# Altium PCB PCB2.PcbDoc (part 14 of 16)
Units mil, origin at the board's own origin, x right, y up, seen from the top; angles counter-clockwise.
Board outline 9200.79 x 4350.6 mil, 4 copper layers (Top Layer, Layer 1, Layer 2, Bottom Layer), stack 23.756 mil thick; 1249 components, 1355 nets, 4549 pads, 1316 vias.
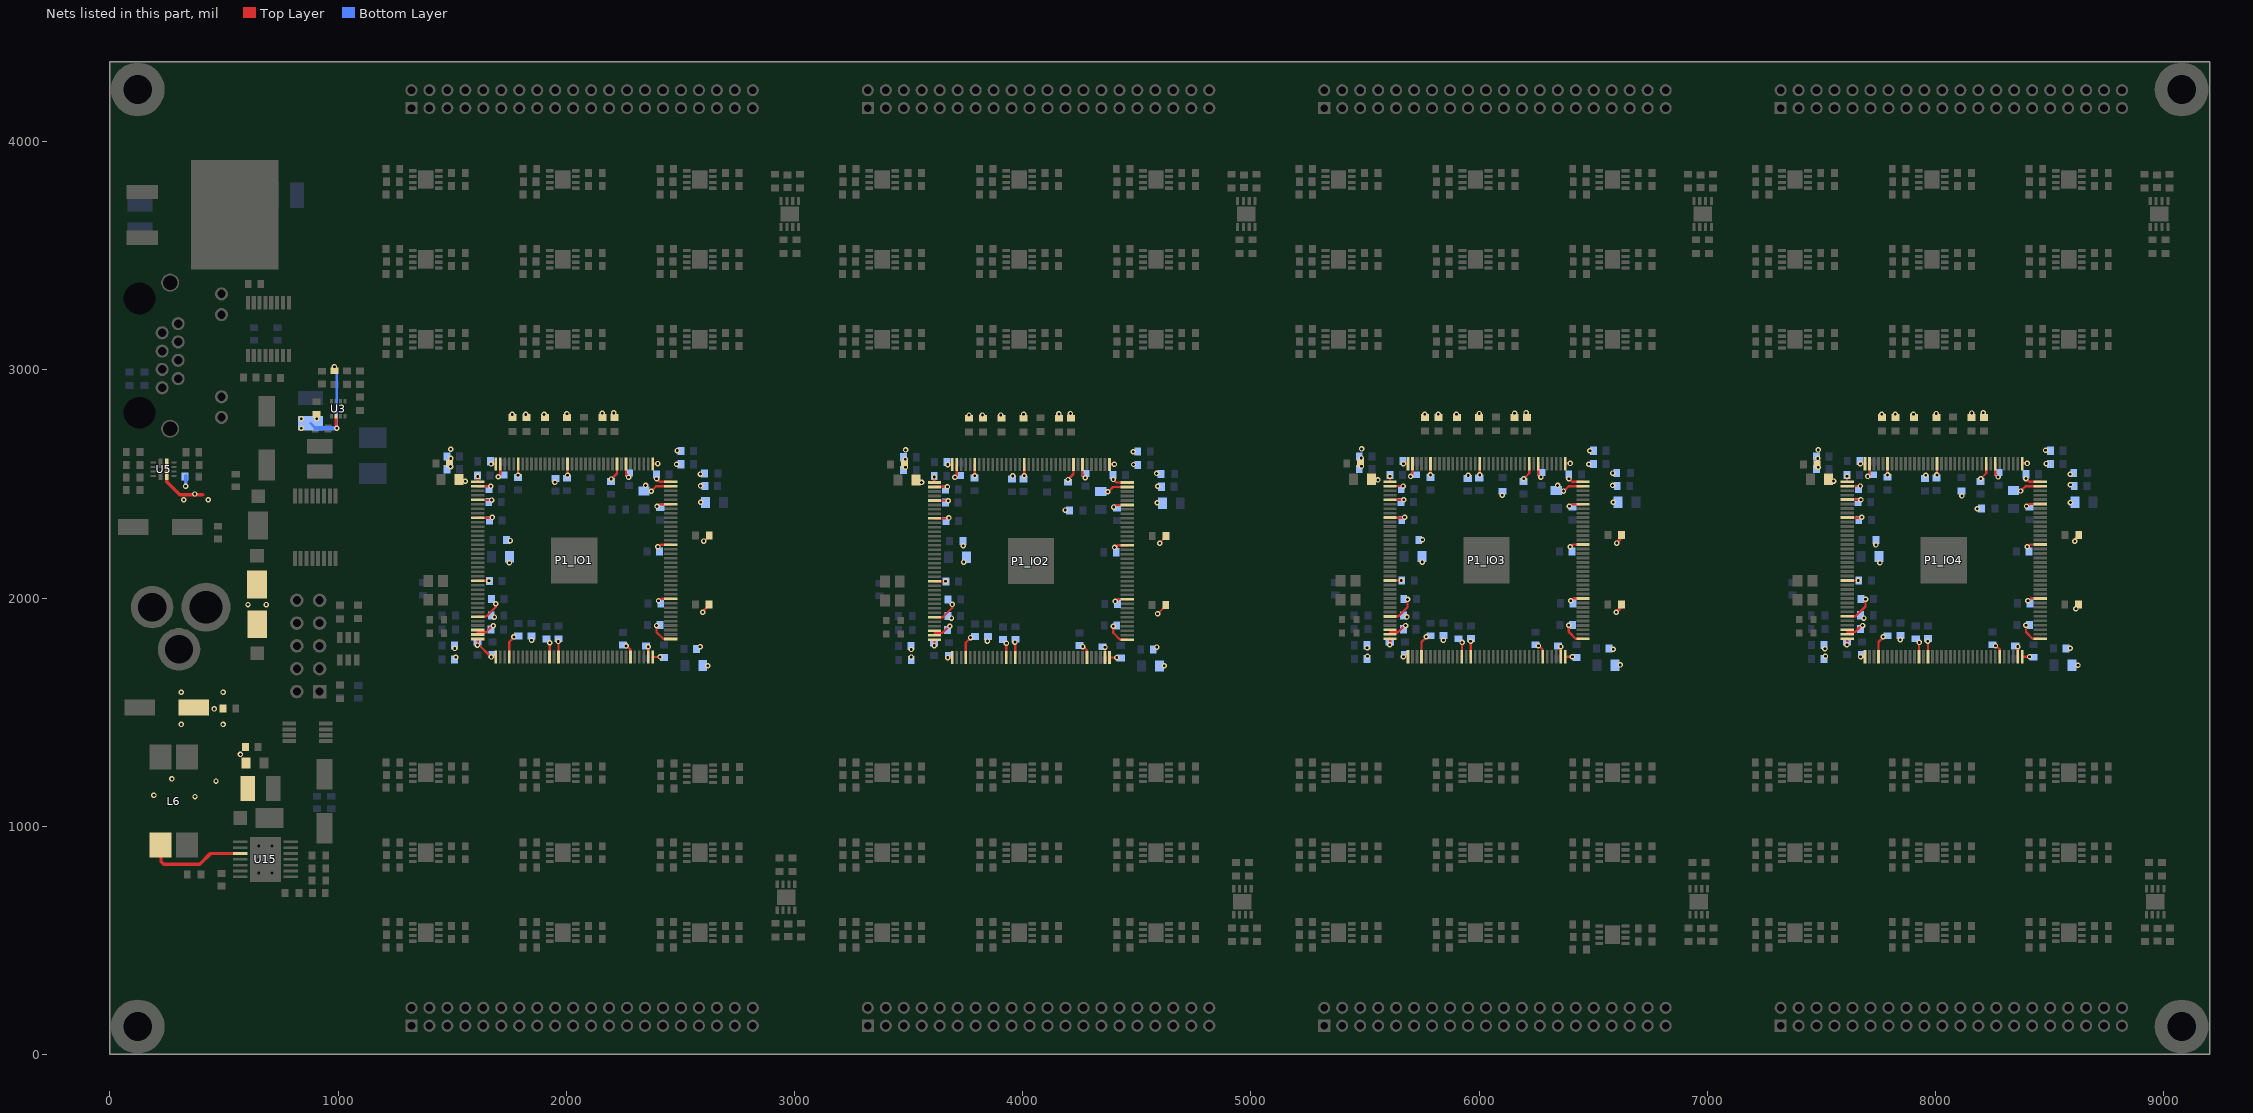
[diagram p16: the nets of this part, all layers, seen from the top]

## Via types
v1: diameter 24, hole 12, Top Layer to Bottom Layer, 1316 vias

## Nets (pads, with @x,y where several pads share a name; then routed paths per layer and width w, separated by ;. In a path a pad name is that pad's centre, name@x,y a point inside that pad or via, vN(x,y) a via of type N, cw(c..) or ccw(c..) an arc to the next point about the centre after c; other vN are vias at no path point) (continued)
VCC_12V: C19.2 C20.2 C28.2 C29.2 C30.2 C73.1 C74.2 D5.1 D6.1 L6.1 R15.2 R37.1 U3.2 U5.1 U5.8 U15.3 | length 1194.8
  Top Layer w12: U3.2@990.99,2796.79 990.99,2747.37 v1(994.29,2744.07)
  Top Layer w15: L6.1@221.69,917.08 223.76,915.01 223.76,844.99 225.76,844.99 236.55,834.2 394.38,834.2 440.62,880.44 U15.3@571.43,880.44 ; U5.1@249.16,2591.37 U5.8@249.16,2538.22 249.16,2509.01 305.78,2452.39 406.79,2452.39
  Bottom Layer w12: C19.2@879.46,2766.07 C19.2@901.47,2744.07 ; v1(983.66,3012.99) 994.29,3002.36 v1(994.29,2744.07)
  Bottom Layer w15: v1@331.32,2500.67 331.6,2500.95 R37.1@331.6,2536.27
  Bottom Layer w20: C19.2@901.47,2744.07 v1(994.29,2744.07)
  other v1: 372.76,1129.99 192.76,1135.99 464.76,1197.99 271.76,1206.99 572.01,1314.3 312.86,1446.09 495.56,1446.09 457.36,1513.79 312.86,1586.59 495.56,1586.59 605.06,1971.49 684.56,1971.49 323.1,2430.17 430.5,2430.17 371.1,2455.77 331.44,2489.72 838.26,2743.39 838.26,2785.59 905.96,2785.09
VCC_FPGA_IO1: C2_POWER1.1 C3_POWER1.1 C4_POWER1.1 C5_POWER1.1 C6_POWER1.1 C7_POWER1.1 C9_POWER1.1 C10_POWER1.2 C11_POWER1.2 C12_POWER1.1 C13_POWER1.1 C15_POWER1.1 C16_POWER1.1 C17_POWER1.1 C23_POWER1.1 C24_POWER1.1 C45_POWER1.1 C46_POWER1.2 C47_POWER1.1 C48_POWER1.1 C49_POWER1.1 C51_POWER1.1 C52_POWER1.1 C53_POWER1.1 C54_POWER1.1 C55_POWER1.2 C56_POWER1.2 C57_POWER1.1 C58_POWER1.1 C59_POWER1.1 C60_POWER1.1 C61_POWER1.1 C62_POWER1.1 C64_POWER1.1 C65_POWER1.1 C66_POWER1.1 C67_POWER1.1 C68_POWER1.1 C69_POWER1.2 C70_POWER1.2 C71_POWER1.2 C72_POWER1.2 L1_POWER1.2 L3_POWER1.2 P1_IO1.1 P1_IO1.2 P1_IO1.5 P1_IO1.9 P1_IO1.23 P1_IO1.31 P1_IO1.34 P1_IO1.35 P1_IO1.36 P1_IO1.37 P1_IO1.40 P1_IO1.49 P1_IO1.51 P1_IO1.67 P1_IO1.71 P1_IO1.72 P1_IO1.73 P1_IO1.82 P1_IO1.94 P1_IO1.103 P1_IO1.107 P1_IO1.108 P1_IO1.109 P1_IO1.115 P1_IO1.117 P1_IO1.128 P1_IO1.139 P1_IO1.143 P1_IO1.144 R1_IO1.1 R2_IO1.1 R3_IO1.1 R4_IO1.1 R5_IO1.1 R6_IO1.1 R7_IO1.1 R14_IO1.2 R20_IO1.2 | length 1793.6
  Top Layer w10: v1(1611.36,2532.92) 1611.36,2509.64 P1_IO1.1@1611.97,2509.02 P1_IO1.1@1612.22,2508.78 ; 1611.97,1849.57 1646.74,1849.57 1666.46,1869.29 1666.67,1869.29 1675.67,1878.29 v1(1679.46,1878.29) ; P1_IO1.31@1611.97,1918.47 1612.19,1918.69 1648.86,1918.69 1690.46,1960.29 v1(1690.46,1974.29) ; P1_IO1.23@1611.97,2075.95 v1(1660.92,2075.95) ; P1_IO1.9@1611.97,2351.54 1612.22,2351.29 1673.32,2351.29 v1@1676.04,2354 ; P1_IO1.5@1611.97,2430.28 1612.52,2429.74 1671.68,2429.74 v1(1672.23,2429.19) ; P1_IO1.2@1611.97,2489.34 1612.22,2489.58 1668.52,2489.58 v1(1668.76,2489.83) ; P1_IO1.36@1612.09,1820.17 P1_IO1.36@1611.97,1820.05 1611.97,1800.05 1670.24,1741.78 P1_IO1.37@1690.24,1741.78 ; v1(1670.22,2587.39) 1670.32,2587.29 P1_IO1.144@1690.24,2587.29 P1_IO1.144@1690.48,2587.54 ; v1(1701.78,2531.82) 1701.92,2531.82 1709.92,2539.82 P1_IO1.143@1709.92,2587.29 ; P1_IO1.40@1749.29,1741.78 1749.29,1806.13 1770.52,1827.35 v1(1770.52,1829.49) ; v1(1788.66,2538.34) P1_IO1.139@1788.66,2587.29 ; P1_IO1.49@1926.46,1741.78 1926.96,1742.28 1926.96,1803.79 v1(1927.46,1804.29) ; v1(1964.7,1809.68) 1965.68,1808.7 1965.68,1741.93 P1_IO1.51@1965.83,1741.78 ; v1(2005.2,2538.34) P1_IO1.128@2005.2,2587.29 ; v1(2197.41,2521.41) 2221.74,2545.73 P1_IO1.117@2221.74,2587.29 ; P1_IO1.115@2261.11,2587.29 2261.11,2543.96 2272.92,2532.14 v1(2272.92,2529.32) ; v1(2261.91,1789.81) 2264.98,1789.81 2279.89,1774.91 2279.89,1742.68 P1_IO1.67@2280.79,1741.78 ; v1@2360.46,1784.29 2359.5,1783.33 P1_IO1.71@2359.5,1741.81 ; v1@2373.46,2468.29 2394.51,2489.34 P1_IO1.107@2457.48,2489.34 ; P1_IO1.72@2379.22,1741.78 P1_IO1.72@2379.22,1741.78 v1(2410.88,1741.82) ; P1_IO1.109@2379.22,2587.29 2380.89,2588.96 v1(2400.84,2588.96) ; v1(2395.34,1879.32) 2395.34,1849.96 2424.35,1820.95 2456.58,1820.95 P1_IO1.73@2457.48,1820.05 ; v1(2395.44,2522.25) 2408.66,2509.02 P1_IO1.108@2457.48,2509.02 ; v1(2397.69,2401.23) 2401.48,2401.23 2410.85,2410.6 P1_IO1.103@2457.48,2410.6 ; v1(2401.51,2224.1) 2404.77,2224.1 2414.36,2233.69 2457.22,2233.69 P1_IO1.94@2457.48,2233.43 ; v1(2403.94,1987.52) 2407.73,1987.52 2418.3,1998.09 2456.6,1998.09 P1_IO1.82@2457.48,1997.21 ; v1(2597.96,1937.58) 2597.96,1941.29 2625.46,1968.79 R20_IO1.2@2625.46,1971.29 ; v1(2602.45,2249.56) 2604.23,2249.56 2626.46,2271.79 R14_IO1.2@2626.46,2274.29 ; P1_IO1.71@2359.5,1741.81 P1_IO1.71@2359.53,1741.78
  other v1: 2619.19,1702.72 1515.46,1740.79 1670.45,1741.57 1511.56,1778.89 2359.46,1786.29 2585.96,1786.79 1610.65,1794 1847.66,1814.49 1685.11,1916.41 1750.76,2154.79 1754.34,2251.73 1675.46,2353.29 2589.26,2419.79 2371.76,2467.9 2588.16,2490.99 2347.06,2493.49 1950.14,2507.4 1556.76,2511.69 2587.56,2543.29 1492.81,2576.07 2483.06,2585.59 1494,2611.67 2485.86,2646.19 1493.4,2652.04 1763.46,2804.29 1822.46,2804.29 1902.46,2804.29 2002.46,2807.29 2157.46,2809.29 2207.75,2810.85
VCC_FPGA_IO2: C2_POWER2.1 C3_POWER2.1 C4_POWER2.1 C5_POWER2.1 C6_POWER2.1 C7_POWER2.1 C9_POWER2.1 C10_POWER2.2 C11_POWER2.2 C12_POWER2.1 C13_POWER2.1 C15_POWER2.1 C16_POWER2.1 C17_POWER2.1 C23_POWER2.1 C24_POWER2.1 C45_POWER2.1 C46_POWER2.2 C47_POWER2.1 C48_POWER2.1 C49_POWER2.1 C51_POWER2.1 C52_POWER2.1 C53_POWER2.1 C54_POWER2.1 C55_POWER2.2 C56_POWER2.2 C57_POWER2.1 C58_POWER2.1 C59_POWER2.1 C60_POWER2.1 C61_POWER2.1 C62_POWER2.1 C64_POWER2.1 C65_POWER2.1 C66_POWER2.1 C67_POWER2.1 C68_POWER2.1 C69_POWER2.2 C70_POWER2.2 C71_POWER2.2 C72_POWER2.2 L1_POWER2.2 L3_POWER2.2 P1_IO2.1 P1_IO2.2 P1_IO2.5 P1_IO2.9 P1_IO2.23 P1_IO2.31 P1_IO2.34 P1_IO2.35 P1_IO2.36 P1_IO2.37 P1_IO2.40 P1_IO2.49 P1_IO2.51 P1_IO2.67 P1_IO2.71 P1_IO2.72 P1_IO2.73 P1_IO2.82 P1_IO2.94 P1_IO2.103 P1_IO2.107 P1_IO2.108 P1_IO2.109 P1_IO2.115 P1_IO2.117 P1_IO2.128 P1_IO2.139 P1_IO2.143 P1_IO2.144 R1_IO2.1 R2_IO2.1 R3_IO2.1 R4_IO2.1 R5_IO2.1 R6_IO2.1 R7_IO2.1 R14_IO2.2 R20_IO2.2 R30.1 | length 1732.9
  Top Layer w10: v1(3611.75,1791.4) 3613.07,1792.72 P1_IO2.36@3613.07,1817.45 P1_IO2.36@3613.19,1817.57 ; v1(3612.46,2530.32) 3612.46,2507.04 P1_IO2.1@3613.07,2506.42 P1_IO2.1@3613.32,2506.18 ; 3613.07,1846.97 3647.84,1846.97 3667.56,1866.69 3667.77,1866.69 3676.77,1875.69 v1(3680.56,1875.69) ; P1_IO2.31@3613.07,1915.87 3613.29,1916.09 3649.96,1916.09 3691.56,1957.69 v1(3691.56,1971.69) ; P1_IO2.23@3613.07,2073.35 v1(3662.02,2073.35) ; P1_IO2.9@3613.07,2348.94 3613.32,2348.69 3674.42,2348.69 v1@3677.14,2351.4 ; P1_IO2.5@3613.07,2427.68 3613.62,2427.14 3672.78,2427.14 v1(3673.33,2426.59) ; P1_IO2.2@3613.07,2486.74 3613.32,2486.98 3669.62,2486.98 v1(3669.86,2487.23) ; v1(3671.32,2584.79) 3671.42,2584.69 P1_IO2.144@3691.34,2584.69 P1_IO2.144@3691.58,2584.94 ; v1(3671.55,1738.97) 3673.83,1738.97 3674.05,1739.18 P1_IO2.37@3691.34,1739.18 ; v1(3702.88,2529.22) 3703.02,2529.22 3711.02,2537.22 P1_IO2.143@3711.02,2584.69 ; P1_IO2.40@3750.39,1739.18 3750.39,1803.53 3771.62,1824.75 v1(3771.62,1826.89) ; v1(3789.76,2535.74) P1_IO2.139@3789.76,2584.69 ; P1_IO2.49@3927.56,1739.18 3928.06,1739.68 3928.06,1801.19 v1(3928.56,1801.69) ; v1(3965.8,1807.08) 3966.78,1806.1 3966.78,1739.33 P1_IO2.51@3966.93,1739.18 ; v1(4006.3,2535.74) P1_IO2.128@4006.3,2584.69 ; v1(4198.51,2518.81) 4222.84,2543.13 P1_IO2.117@4222.84,2584.69 ; P1_IO2.115@4262.21,2584.69 4262.21,2541.36 4274.02,2529.54 v1(4274.02,2526.72) ; v1(4263.01,1787.21) 4266.08,1787.21 4280.99,1772.31 4280.99,1740.08 P1_IO2.67@4281.89,1739.18 ; v1@4361.56,1781.69 4360.6,1780.73 P1_IO2.71@4360.6,1739.21 ; v1@4374.56,2465.69 4395.61,2486.74 P1_IO2.107@4458.58,2486.74 ; P1_IO2.72@4380.32,1739.18 P1_IO2.72@4380.32,1739.18 v1(4411.98,1739.22) ; P1_IO2.109@4380.32,2584.69 4381.99,2586.36 v1(4401.94,2586.36) ; v1(4396.44,1876.72) 4396.44,1847.36 4425.45,1818.35 4457.68,1818.35 P1_IO2.73@4458.58,1817.45 ; v1(4396.54,2519.65) 4409.76,2506.42 P1_IO2.108@4458.58,2506.42 ; v1(4398.8,2398.63) 4402.58,2398.63 4411.95,2408 P1_IO2.103@4458.58,2408 ; v1(4402.61,2221.5) 4405.87,2221.5 4415.46,2231.09 4458.32,2231.09 P1_IO2.94@4458.58,2230.83 ; v1(4405.04,1984.92) 4408.83,1984.92 4419.4,1995.49 4457.7,1995.49 P1_IO2.82@4458.58,1994.61 ; v1(4590.74,1930.81) 4591.18,1930.81 4626.56,1966.19 R20_IO2.2@4626.56,1968.69 ; v1(4600.62,2239.83) 4600.62,2242.25 4627.56,2269.19 R14_IO2.2@4627.56,2271.69 ; P1_IO2.71@4360.6,1739.21 P1_IO2.71@4360.63,1739.18
  other v1: 4620.66,1702.79 3511.46,1741.39 3511.86,1774.49 4360.56,1783.69 4587.86,1784.89 3845.36,1811.39 3687.36,1912.19 3741.56,2157.49 3738.98,2228.98 3676.56,2350.69 4186.76,2385.29 4589.46,2417.09 4372.86,2465.3 4591.76,2489.79 3556.76,2506.59 3956.4,2535.16 4586.31,2546.04 3485.85,2572.83 4485.46,2585.09 3485.09,2607.71 4484.76,2641.39 3486.43,2648.81 3764.56,2801.69 3823.56,2801.69 3903.56,2801.69 4003.56,2804.69 4158.56,2806.69 4208.85,2808.25
VCC_FPGA_IO3: C2_POWER3.1 C3_POWER3.1 C4_POWER3.1 C5_POWER3.1 C6_POWER3.1 C7_POWER3.1 C9_POWER3.1 C10_POWER3.2 C11_POWER3.2 C12_POWER3.1 C13_POWER3.1 C15_POWER3.1 C16_POWER3.1 C17_POWER3.1 C23_POWER3.1 C24_POWER3.1 C45_POWER3.1 C46_POWER3.2 C47_POWER3.1 C48_POWER3.1 C49_POWER3.1 C51_POWER3.1 C52_POWER3.1 C53_POWER3.1 C54_POWER3.1 C55_POWER3.2 C56_POWER3.2 C57_POWER3.1 C58_POWER3.1 C59_POWER3.1 C60_POWER3.1 C61_POWER3.1 C62_POWER3.1 C64_POWER3.1 C65_POWER3.1 C66_POWER3.1 C67_POWER3.1 C68_POWER3.1 C69_POWER3.2 C70_POWER3.2 C71_POWER3.2 C72_POWER3.2 L1_POWER3.2 L3_POWER3.2 P1_IO3.1 P1_IO3.2 P1_IO3.5 P1_IO3.9 P1_IO3.23 P1_IO3.31 P1_IO3.34 P1_IO3.35 P1_IO3.36 P1_IO3.37 P1_IO3.40 P1_IO3.49 P1_IO3.51 P1_IO3.67 P1_IO3.71 P1_IO3.72 P1_IO3.73 P1_IO3.82 P1_IO3.94 P1_IO3.103 P1_IO3.107 P1_IO3.108 P1_IO3.109 P1_IO3.115 P1_IO3.117 P1_IO3.128 P1_IO3.139 P1_IO3.143 P1_IO3.144 R1_IO3.1 R2_IO3.1 R3_IO3.1 R4_IO3.1 R5_IO3.1 R6_IO3.1 R7_IO3.1 R14_IO3.2 R20_IO3.2 R31.1 | length 1741.5
  Top Layer w10: v1(5608.65,1794.85) 5609.97,1796.17 P1_IO3.36@5609.97,1820.9 P1_IO3.36@5610.09,1821.02 ; v1(5609.36,2533.77) 5609.36,2510.49 P1_IO3.1@5609.97,2509.87 P1_IO3.1@5610.22,2509.63 ; 5609.97,1850.42 5644.74,1850.42 5664.46,1870.14 5664.67,1870.14 5673.67,1879.14 v1(5677.46,1879.14) ; P1_IO3.31@5609.97,1919.32 5610.19,1919.54 5646.86,1919.54 5686.47,1959.15 v1(5686.47,1993.78) ; P1_IO3.23@5609.97,2076.8 v1(5658.92,2076.8) ; P1_IO3.9@5609.97,2352.39 5610.22,2352.14 5671.32,2352.14 v1@5674.04,2354.85 ; P1_IO3.5@5609.97,2431.13 5610.52,2430.59 5669.68,2430.59 v1(5670.23,2430.04) ; P1_IO3.2@5609.97,2490.19 5610.22,2490.43 5666.52,2490.43 v1(5666.76,2490.68) ; v1(5668.22,2588.24) 5668.32,2588.14 P1_IO3.144@5688.24,2588.14 P1_IO3.144@5688.48,2588.38 ; v1(5668.45,1742.42) 5670.73,1742.42 5670.95,1742.63 P1_IO3.37@5688.24,1742.63 ; v1(5699.78,2532.67) 5699.92,2532.67 5707.92,2540.67 P1_IO3.143@5707.92,2588.14 ; P1_IO3.40@5747.29,1742.63 5747.29,1806.97 5768.52,1828.2 v1(5768.52,1830.34) ; v1(5786.66,2539.19) P1_IO3.139@5786.66,2588.14 ; P1_IO3.49@5924.46,1742.63 5924.96,1743.13 5924.96,1804.64 v1(5925.46,1805.14) ; v1(5962.7,1810.53) 5963.68,1809.55 5963.68,1742.78 P1_IO3.51@5963.83,1742.63 ; v1(6003.2,2539.19) P1_IO3.128@6003.2,2588.14 ; v1(6195.41,2522.26) 6219.74,2546.58 P1_IO3.117@6219.74,2588.14 ; P1_IO3.115@6259.11,2588.14 6259.11,2544.81 6270.92,2532.99 v1(6270.92,2530.17) ; v1(6259.91,1790.66) 6262.98,1790.66 6277.89,1775.76 6277.89,1743.53 P1_IO3.67@6278.79,1742.63 ; v1@6358.46,1785.14 6357.5,1784.18 P1_IO3.71@6357.5,1742.66 ; v1@6371.46,2469.14 6392.51,2490.19 P1_IO3.107@6455.48,2490.19 ; P1_IO3.72@6377.22,1742.63 6377.26,1742.67 v1(6408.88,1742.67) ; P1_IO3.109@6377.22,2588.14 6378.89,2589.81 v1(6398.84,2589.81) ; v1(6393.34,1880.17) 6393.34,1850.81 6422.35,1821.8 6454.58,1821.8 P1_IO3.73@6455.48,1820.9 ; v1(6393.44,2523.1) 6406.66,2509.87 P1_IO3.108@6455.48,2509.87 ; v1(6395.69,2402.08) 6399.48,2402.08 6408.85,2411.45 P1_IO3.103@6455.48,2411.45 ; v1(6399.51,2224.95) 6402.77,2224.95 6412.36,2234.54 6455.22,2234.54 P1_IO3.94@6455.48,2234.28 ; v1(6401.94,1988.37) 6405.73,1988.37 6416.3,1998.94 6454.6,1998.94 P1_IO3.82@6455.48,1998.06 ; P1_IO3.71@6357.5,1742.66 P1_IO3.71@6357.53,1742.63
  Top Layer w15: v1(6600.68,1937.83) 6615.96,1953.11 6615.96,1964.64 R20_IO3.2@6623.46,1972.14 ; v1(6603.15,2240.9) 6616.96,2254.72 6616.96,2267.64 R14_IO3.2@6624.46,2275.14
  other v1: 6618.36,1706.79 5510.86,1745.29 6587.54,1775.47 5509.06,1782.49 6357.46,1787.14 5843.56,1815.29 5683.66,1917.09 5750.46,2157.59 5751.44,2255.38 5673.46,2354.14 6587.56,2419.59 6101.66,2450.29 6369.76,2468.75 6343.76,2493.49 6585,2493.31 5556.63,2517.56 5952.06,2537.29 6585.46,2547.29 5484.23,2577.28 6479.96,2586.69 5482.96,2613.49 6485.56,2645.29 5484.82,2653.26 5761.46,2805.14 5820.46,2805.14 5900.46,2805.14 6000.46,2808.14 6155.46,2810.14 6205.75,2811.7
VCC_FPGA_IO4: C2_POWER4.1 C3_POWER4.1 C4_POWER4.1 C5_POWER4.1 C6_POWER4.1 C7_POWER4.1 C9_POWER4.1 C10_POWER4.2 C11_POWER4.2 C12_POWER4.1 C13_POWER4.1 C15_POWER4.1 C16_POWER4.1 C17_POWER4.1 C23_POWER4.1 C24_POWER4.1 C45_POWER4.1 C46_POWER4.2 C47_POWER4.1 C48_POWER4.1 C49_POWER4.1 C51_POWER4.1 C52_POWER4.1 C53_POWER4.1 C54_POWER4.1 C55_POWER4.2 C56_POWER4.2 C57_POWER4.1 C58_POWER4.1 C59_POWER4.1 C60_POWER4.1 C61_POWER4.1 C62_POWER4.1 C64_POWER4.1 C65_POWER4.1 C66_POWER4.1 C67_POWER4.1 C68_POWER4.1 C69_POWER4.2 C70_POWER4.2 C71_POWER4.2 C72_POWER4.2 L1_POWER4.2 L3_POWER4.2 P1_IO4.1 P1_IO4.2 P1_IO4.5 P1_IO4.9 P1_IO4.23 P1_IO4.31 P1_IO4.34 P1_IO4.35 P1_IO4.36 P1_IO4.37 P1_IO4.40 P1_IO4.49 P1_IO4.51 P1_IO4.67 P1_IO4.71 P1_IO4.72 P1_IO4.73 P1_IO4.82 P1_IO4.94 P1_IO4.103 P1_IO4.107 P1_IO4.108 P1_IO4.109 P1_IO4.115 P1_IO4.117 P1_IO4.128 P1_IO4.139 P1_IO4.143 P1_IO4.144 R1_IO4.1 R2_IO4.1 R3_IO4.1 R4_IO4.1 R5_IO4.1 R6_IO4.1 R7_IO4.1 R14_IO4.2 R20_IO4.2 R33.1 R34.1 | length 1695.3
  Top Layer w10: v1(7611.65,1795) 7612.97,1796.32 P1_IO4.36@7612.97,1821.05 P1_IO4.36@7613.09,1821.17 ; v1(7612.36,2533.92) 7612.36,2510.64 P1_IO4.1@7612.97,2510.02 P1_IO4.1@7613.22,2509.78 ; 7612.97,1850.57 7647.74,1850.57 7667.46,1870.29 7667.67,1870.29 7676.67,1879.29 v1(7680.46,1879.29) ; P1_IO4.31@7612.97,1919.47 7613.19,1919.69 7649.86,1919.69 7693.47,1963.31 v1(7693.47,1994.25) ; P1_IO4.23@7612.97,2076.95 v1(7661.92,2076.95) ; P1_IO4.9@7612.97,2352.54 7613.22,2352.29 7674.32,2352.29 v1@7677.04,2355 ; P1_IO4.5@7612.97,2431.28 7613.52,2430.74 7672.68,2430.74 v1(7673.23,2430.19) ; P1_IO4.2@7612.97,2490.34 7613.22,2490.58 7669.52,2490.58 v1(7669.76,2490.83) ; v1(7671.22,2588.39) 7671.32,2588.29 P1_IO4.144@7691.24,2588.29 P1_IO4.144@7691.48,2588.54 ; v1(7671.45,1742.57) 7673.73,1742.57 7673.95,1742.78 P1_IO4.37@7691.24,1742.78 ; v1(7702.78,2532.82) 7702.92,2532.82 7710.92,2540.82 P1_IO4.143@7710.92,2588.29 ; P1_IO4.40@7750.29,1742.78 7750.29,1807.13 7771.52,1828.35 v1(7771.52,1830.49) ; v1(7789.66,2539.34) P1_IO4.139@7789.66,2588.29 ; P1_IO4.49@7927.46,1742.78 7927.96,1743.28 7927.96,1804.79 v1(7928.46,1805.29) ; v1(7965.7,1810.68) 7966.68,1809.7 7966.68,1742.93 P1_IO4.51@7966.83,1742.78 ; v1(8006.2,2539.34) P1_IO4.128@8006.2,2588.29 ; v1(8198.41,2522.41) 8222.74,2546.73 P1_IO4.117@8222.74,2588.29 ; P1_IO4.115@8262.11,2588.29 8262.11,2544.96 8273.92,2533.14 v1(8273.92,2530.32) ; v1(8262.91,1790.81) 8265.98,1790.81 8280.89,1775.91 8280.89,1743.68 P1_IO4.67@8281.79,1742.78 ; v1@8361.46,1785.29 8360.5,1784.33 P1_IO4.71@8360.5,1742.81 ; v1@8374.46,2469.29 8395.51,2490.34 P1_IO4.107@8458.48,2490.34 ; P1_IO4.72@8380.22,1742.78 P1_IO4.72@8380.22,1742.78 v1(8411.88,1742.82) ; P1_IO4.109@8380.22,2588.29 8381.89,2589.96 v1(8401.84,2589.96) ; v1(8396.34,1880.32) 8396.34,1850.96 8425.35,1821.95 8457.58,1821.95 P1_IO4.73@8458.48,1821.05 ; v1(8396.44,2523.25) 8409.66,2510.02 P1_IO4.108@8458.48,2510.02 ; v1(8398.69,2402.23) 8402.48,2402.23 8411.85,2411.6 P1_IO4.103@8458.48,2411.6 ; v1(8402.51,2225.1) 8405.77,2225.1 8415.36,2234.69 8458.22,2234.69 P1_IO4.94@8458.48,2234.43 ; v1(8404.94,1988.52) 8408.73,1988.52 8419.3,1999.09 8457.6,1999.09 P1_IO4.82@8458.48,1998.21 ; P1_IO4.71@8360.5,1742.81 P1_IO4.71@8360.53,1742.78
  Top Layer w15: v1(8610.46,2248.43) 8612.18,2250.15 8612.18,2257.51 8627.46,2272.79 R14_IO4.2@8627.46,2275.29
  Bottom Layer w10: v1(8262.91,1790.81) C66_POWER4.1@8264.66,1790.81 ; v1@8273.92,2527.31 v1(8273.92,2530.32)
  other v1: 8623.96,1705.86 7517.46,1745.29 7515.46,1777.29 8590.46,1780.29 8360.46,1787.29 7845.46,1817.29 7686.46,1912.29 8615.53,1952.93 7756.46,2154.29 7738.88,2232.58 7676.46,2354.29 8182.46,2391.29 8591.46,2418.29 8115.91,2447.36 8372.76,2468.9 8591.46,2496.29 7553.46,2512.29 7957.46,2538.29 8590.06,2542.29 7485.85,2572.83 8485.46,2589.29 7483.45,2611.41 8482.46,2647.29 7486.43,2648.81 7764.46,2805.29 7823.46,2805.29 7903.46,2805.29 8003.46,2808.29 8158.46,2810.29 8208.75,2811.85